# Altium PCB 平衡车.PcbDoc
Units mil, origin at the board's own origin, x right, y up, seen from the top; angles counter-clockwise.
Board outline 3897.64 x 2378 mil, 2 copper layers (Top Layer, Bottom Layer); 45 components, 41 nets, 190 pads, 46 vias.
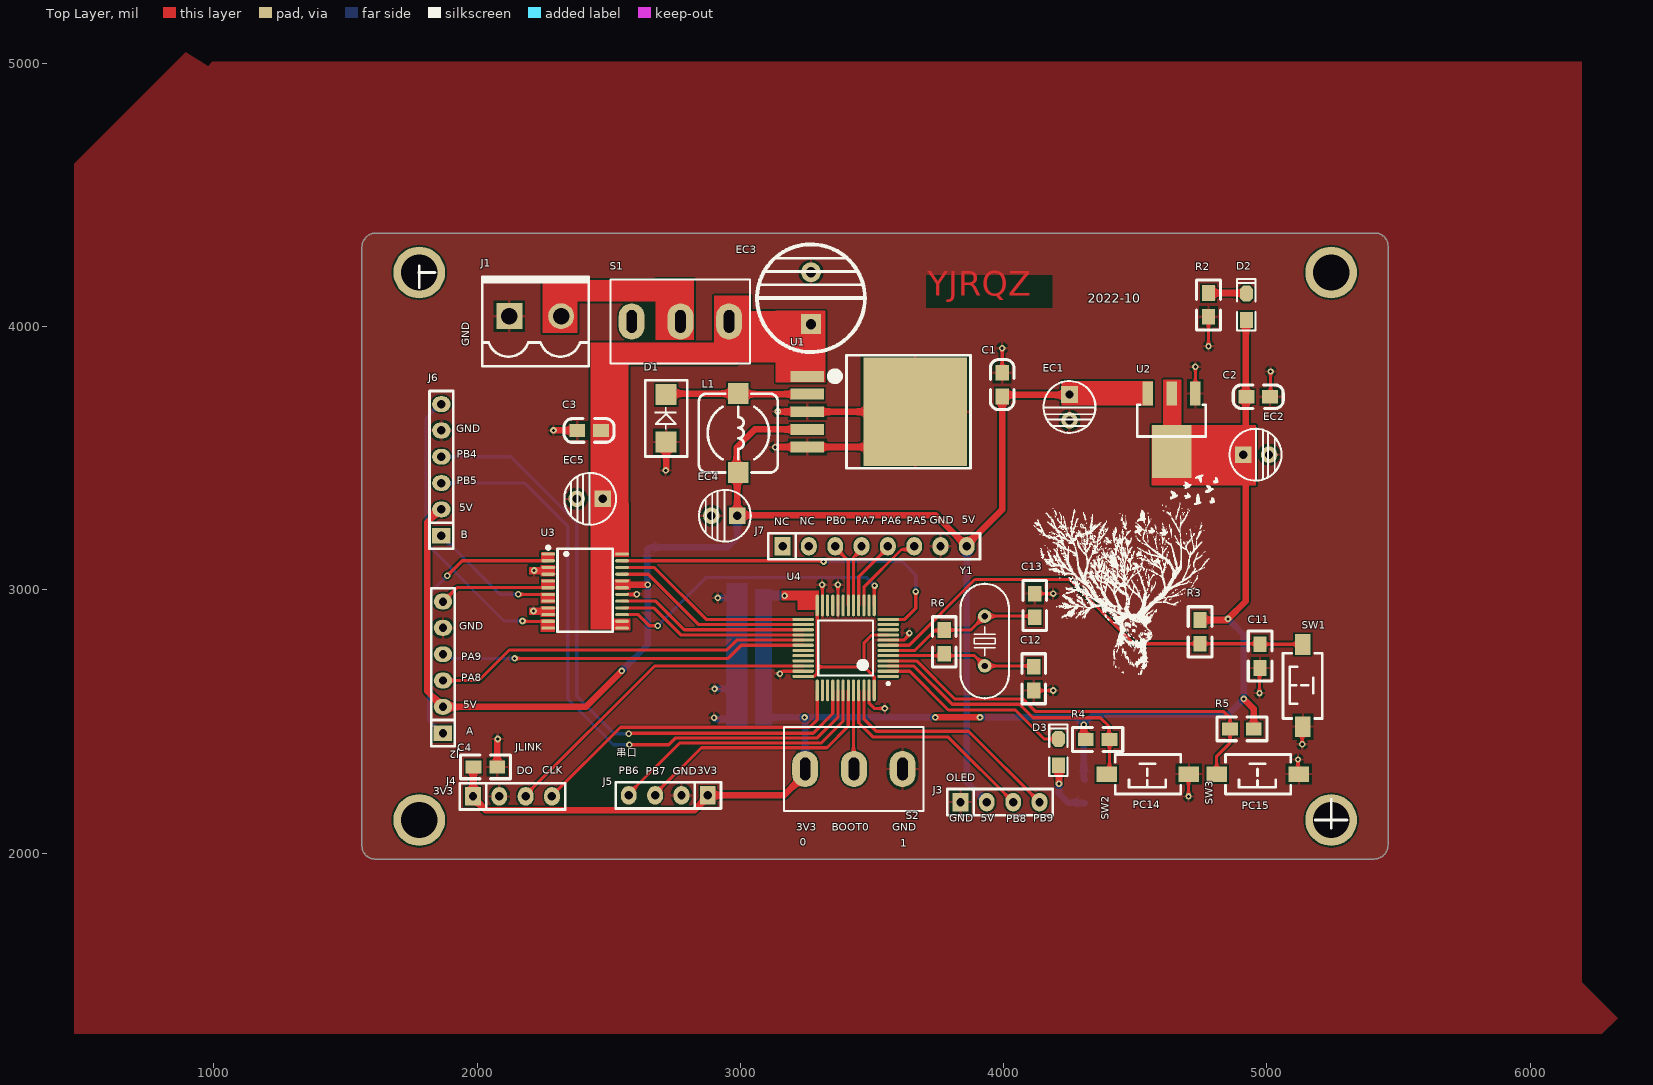
[diagram p0: Top Layer view]
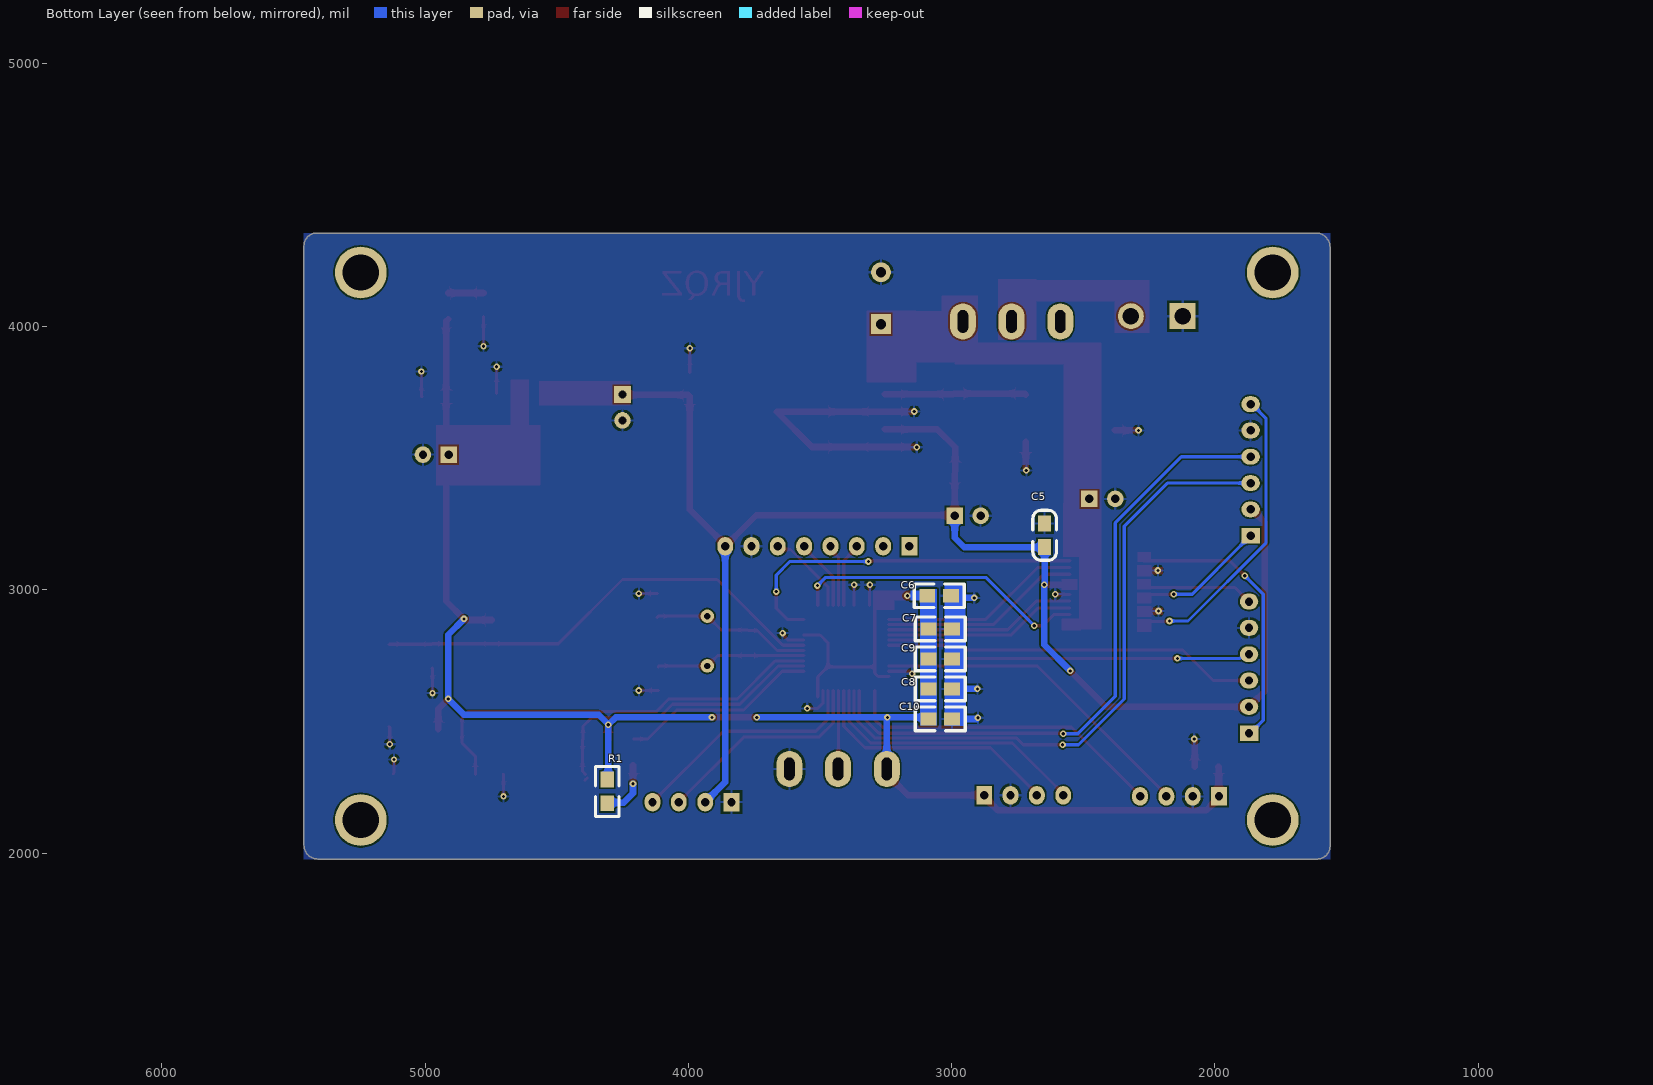
[diagram p1: Bottom Layer view, seen from below]

## Layer stack, top to bottom
Top Solder: solder mask 0.4, Solder Resist, Dk 3.5
Top Layer: signal copper 1.4
Dielectric 1: dielectric 12.6, FR-4, Dk 4.8
Bottom Layer: signal copper 1.4
Bottom Solder: solder mask 0.4, Solder Resist, Dk 3.5

## Board outline
1610,1978 cw(c1610,2025.64) 1562.36,2025.64 1562.36,4302.36 cw(c1616,4302.36) 1616,4356 5412,4356 cw(c5412,4308) 5460,4308 5460,2030 cw(c5408,2030) 5408,1978

## Design rules (kind name [scope] priority, off if disabled: settings)
Clearance [All] p1: gap=6 ignorepadtopadclearanceinfootprint=FALSE
Height Height_1 [All] p1: minheight=0 maxheight=2000 prefheight=500
HoleSize [All] p1: absolutevalues=TRUE maxlimit=200 minlimit=1 maxpercent=80.000 minpercent=20.000
HoleToHoleClearance [All] p1: gap=5 allowstackedmicrovias=TRUE
MinimumSolderMaskSliver [All] p1: minsoldermaskwidth=2
PlaneClearance [All] p1: clearance=1
PolygonConnect [All] p1: connectstyle=Relief reliefconductorwidth=10 reliefentries=4 polygonreliefangle="90 Angle" airgapwidth=10
RoutingVias [All] p1: holewidth=12 width=24 viastyle="Through Hole" minholewidth=1 minwidth=12 maxholewidth=13 maxwidth=27
SilkToSilkClearance [All] p1: silktosilkclearance=0
SilkToSolderMaskClearance [IsPad] p1: minsilkscreentomaskgap=0 clearancetoexposedcopper=TRUE
SolderMaskExpansion [All] p1: expansion=4 istentingtop=FALSE
Width [All] p1: maxlimit=50 minlimit=6 preferedwidth=12 minimp=50.000000 maximp=50.000000 favimp=50.000000
23 further rules are at their usual default settings.

## Components (designator, comment, footprint, x,y, rotation, side; value= is the part's Value field where it differs from the comment)
C1 "104" 0805C 3994,3736 r90 top
C2 "104" 0805C 4922.71,3734.4 r0 top
C3 "100nF" 0805C 2469.29,3605.6 r180 top
C4 "1uf" 0805R 2076,2328 r180 top value=104
C5 "100nF" 0805C 2646,3252 r270 bottom
C6 "104" 0805R 3002,2978 r0 bottom
C7 "104" 0805R 2998,2852 r0 bottom
C8 "104" 0805R 2998,2624 r0 bottom
C9 "104" 0805R 2998,2738 r0 bottom
C10 "104" 0805R 2998,2510 r0 bottom
C11 "1uf" 0805R 4974,2704 r90 top value=104
C12 "22P" 0805R 4114,2708 r270 top value=104
C13 "22P" 0805R 4118,2896 r90 top value=104
D1 "DIODE SCHOTTKY" SMB/DO-214AA 2718,3562 r90 top
D2 "LED" "LED 0805G" 4922,4076 r90 top
D3 "LED" "LED 0805G" 4208,2384 r90 top
EC1 "106" DIP-EC2.5X5X11 4250,3742.43 r270 top
EC2 "106" DIP-EC2.5X5X11 4909.57,3514 r0 top
EC3 "680uF" DIP-EC5.0X10X12.5 3268,4010 r90 top
EC4 "220uF" DIP-EC2.5X5X11 2988,3282 r180 top
EC5 "22uF" DIP-EC2.5X5X11 2476.43,3346 r180 top
J1 "KF2EDGK-2P" KF2EDGK5.0-2P 2122,4040 r0 top
J2 "A_M" Fe-HDR1X6/2.54-S 1870,2456 r90 top
J3 "oled" Fe-HDR1X4/2.54-S 3836,2194 r90 top
J4 "jilnk" Fe-HDR1X4/2.54-S 1984,2216 r90 top
J5 "串口" Fe-HDR1X4/2.54-S 2876,2220 r270 top
J6 "B_M" Fe-HDR1X6/2.54-S 1864,3206 r90 top
J7 "陀螺仪" Fe-HDR1X8/2.54-S 3160,3166 r90 top
L1 "33uH" CDRH74 2992,3596 r270 top
R1 "10K" 0805R 4308,2280 r270 bottom
R2 "10k" 0805R 4778,4128 r270 top
R3 "10K" 0805R 4746,2796 r90 top
R4 "1K" 0805R 4402,2432 r180 top
R5 "1K" 0805R 4860,2472 r0 top
R6 "1M" 0805R 3774,2848 r270 top
S1 "MTS-10x" MTS-10x 2772,4020 r180 top
S2 "MTS-10x" MTS-10x 3431.04,2320 r0 top
SW1 "3x6x5" "TSW SMD-3*6*2.5" 5136,2638 r90 top
SW2 "3x6x5" "TSW SMD-3*6*2.5" 4546,2300 r180 top
SW3 "3x6x5" "TSW SMD-3*6*2.5" 4964,2300 r180 top
U1 "LM2596-5.0" TO263-5A 3254,3676.93 r270 top
U2 "AMS1117" SOT223 4638,3746 r180 top
U3 "TB6612FNG" SSOP-24_L8.3-W5.6-P0.65-LS7.6-BL 2410,2996 r270 top
U4 "stm32f103c8t6_48pin" LQFP-48_M 3400,2780 r180 top
Y1 "8M" "OSC HC-49U" 3928,2806 r270 top

## Footprints (in the part's own frame and the unit in brackets; to place one, negate y for a bottom-side part, rotate by r counter-clockwise, add the part's x,y. Pads: shape width x height; smd on the part's side, far side on the other; paste and mask are expansions set on the pad)
0805C [mil]
  rect 60x50 smd: 1(-0.71,-0.4) 2(89.29,-0.4)
  silkscreen extent -51,-45 139,45, body extent 6,-25 84,25, height 31
0805R [mil]
  rect 60x50 smd: 1(0,0) 2(90,0)
  silkscreen extent -50,-45 140,45, body extent 1,-25 80,25, height 15
CDRH74 [mm] "7.3*7.3*4.5mm（长宽高）"
  rect 2x2 smd: 1(-3.81,0) 2(3.81,0)
  silkscreen extent -3.81,-3.81 3.81,3.81, body extent -3.65,-3.65 3.65,3.65, height 4.5
DIP-EC2.5X5X11 [mm]
  rect 1.6x1.6 hole 0.8: 1(0,0)
  round 1.6 hole 0.8: 2(2.5,0)
  silkscreen extent -1.3,-2.5 3.7,2.5, body extent -1.25,-2.59 3.75,2.41, height 11.03
DIP-EC5.0X10X12.5 [mm]
  rect 1.9x1.9 hole 1: 1(0,0)
  round 1.9 hole 1: 2(5,0)
  silkscreen extent -2.7,-5.21 7.7,5.2, body extent -2.41,-5 7.6,5, height 12.55
Fe-HDR1X4/2.54-S [mil]
  rect 70x60 hole 32: 1(0,0)
  oval 70x60 hole 32: 2(0,-100) 3(0,-200) 4(0,-300)
  silkscreen extent -50,-350 50,50, body extent -44,-355 54,55, height 335
Fe-HDR1X6/2.54-S [mil]
  rect 60x70 hole 32: 1(0,0)
  oval 60x70 hole 32: 2(100,0) 3(200,0) 4(300,0) 5(400,0) 6(500,0)
  silkscreen extent -50,-45 550,45, body extent -55,-49 555,49, height 109
Fe-HDR1X8/2.54-S [mil]
  rect 70x60 hole 32: 1(0,0)
  oval 70x60 hole 32: 2(0,-100) 3(0,-200) 4(0,-300) 5(0,-400) 6(0,-500) 7(0,-600) 8(0,-700)
  silkscreen extent -50,-750 50,55, body extent -49,-755 49,55, height 126
KF2EDGK5.0-2P [mm]
  rect 2.5x2.5 hole 1.6: 1(0,0)
  round 2.5 hole 1.6: 2(5,0)
  silkscreen extent -2.62,-4.83 7.67,3.81, body extent -2.54,-4.76 7.54,3.74, height 11.25
"LED 0805G" [mil] "绿色0805LED"
  rect 60x50 smd: 1(-50,0)
  oct 60x50 smd: 2(50,0)
  silkscreen extent -90,-35 105,35, body extent -39,-25 39,25, height 32
LQFP-48_M [mm] "Thin QFP, 48-Leads, Body 7x7mm, Pitch 0.5mm, IPC Low Density"
  oval 2.1x0.3 smd: 1(-4.1,2.75) 2(-4.1,2.25) 3(-4.1,1.75) 4(-4.1,1.25) 5(-4.1,0.75) 6(-4.1,0.25) 7(-4.1,-0.25) 8(-4.1,-0.75) 9(-4.1,-1.25) 10(-4.1,-1.75) 11(-4.1,-2.25) 12(-4.1,-2.75) 25(4.1,-2.75) 26(4.1,-2.25) 27(4.1,-1.75) 28(4.1,-1.25) 29(4.1,-0.75) 30(4.1,-0.25) 31(4.1,0.25) 32(4.1,0.75) 33(4.1,1.25) 34(4.1,1.75) 35(4.1,2.25) 36(4.1,2.75)
  oval 0.3x2.1 smd: 13(-2.75,-4.1) 14(-2.25,-4.1) 15(-1.75,-4.1) 16(-1.25,-4.1) 17(-0.75,-4.1) 18(-0.25,-4.1) 19(0.25,-4.1) 20(0.75,-4.1) 21(1.25,-4.1) 22(1.75,-4.1) 23(2.25,-4.1) 24(2.75,-4.1) 37(2.75,4.1) 38(2.25,4.1) 39(1.75,4.1) 40(1.25,4.1) 41(0.75,4.1) 42(0.25,4.1) 43(-0.25,4.1) 44(-0.75,4.1) 45(-1.25,4.1) 46(-1.75,4.1) 47(-2.25,4.1) 48(-2.75,4.1)
  silkscreen extent -4.23,-2.65 2.65,3.57, body extent -3.5,-3.5 3.5,3.5, height 1.6
MTS-10x [mm] "MTS10系列3脚扭子开关"
  oval 2.5x3.5 hole 1 slot 2.2 at 90 deg: 1(-4.7,0) 2(0,0) 3(4.7,0)
  silkscreen extent -6.73,-4.06 6.73,4.06, body extent -6.6,-3.95 6.6,3.95, height 30.47
"OSC HC-49U" [mm]
  round 1.3 hole 0.6: 1(-2.4,0) 2(2.4,0)
  silkscreen extent -5.52,-2.32 5.52,2.33, body extent -5.53,-2.29 5.53,2.36, height 13.95
SMB/DO-214AA [mil] "塑封二极管"
  rect 80x80 smd: A(0,0) K(180,0)
  silkscreen extent -55,-80 235,80, body extent -20,-79 200,75, height 98
SOT223 [mil]
  rect 40x90 smd: 1(-90,0) 2(0,0) 3(90,0)
  rect 150x200 smd: 2(0,220)
  silkscreen extent -130,43 130,163, body extent -130,-30 126,246, height 65
SSOP-24_L8.3-W5.6-P0.65-LS7.6-BL [mil]
  oval 12.13x52.13 smd mask+2: 1(-140.75,-140.24) 2(-115.16,-140.24) 3(-89.57,-140.24) 4(-63.98,-140.24) 5(-38.39,-140.24) 6(-12.79,-140.24) 7(12.8,-140.24) 8(38.39,-140.24) 9(63.98,-140.24) 10(89.57,-140.24) 11(115.16,-140.24) 12(140.75,-140.24) 13(140.75,140.24) 14(115.16,140.24) 15(89.57,140.24) 16(63.98,140.24) 17(38.39,140.24) 18(12.8,140.24) 19(-12.79,140.24) 20(-38.39,140.24) 21(-63.98,140.24) 22(-89.57,140.24) 23(-115.16,140.24) 24(-140.75,140.24)
  silkscreen extent -171,-146 155,105
TO263-5A [mm] "263，5脚晶体管"
  rect 1.05x3.2 smd: 1(-3.4,0) 2(-1.7,0) 3(0,0) 4(1.7,0) 5(3.4,0)
  rect 10.45x10 smd: 3(0,10.414)
  silkscreen extent -5.46,2.29 5.46,15.75, body extent -5.05,0.45 4.95,13.78, height 4.5
"TSW SMD-3*6*2.5" [mm] "3*6*2.5mm"
  rect 2x1.5 smd: 1(-3.996,-0.02) 2(3.937,0)
  silkscreen extent -3.21,-1.9 3.09,1.9, body extent -4,-1.88 4,1.62, height 2.59

## Part data
C1 C2 C3 C5: library part CAP, "无极性电容"
C4 C6 C7 C8 C9 C10 C11: library part Cap, LatestRevisionDate=17-Jul-2002, LatestRevisionNote="Re-released for DXP Platform.", Published=8-Jun-2000, Publisher="Altium Limited"
C12 C13: library part Cap, "Capacitor", LatestRevisionDate=17-Jul-2002, LatestRevisionNote="Re-released for DXP Platform.", Published=8-Jun-2000, Publisher="Altium Limited"
D1: "肖特基二极管"
EC1 EC2 EC3 EC4 EC5: library part DIP_ECAP, "直插电解电容"
J2 J6: library part "Female HDR1X6"
J3 J4 J5: library part "Female HDR1X4"
J7: library part "Female HDR1X8"
L1: library part INDUCTOR, "INDUCTOR"
R1 R2 R3 R4 R5: library part Res2, LatestRevisionDate=17-Jul-2002, LatestRevisionNote="Re-released for DXP Platform.", Published=8-Jun-2000, Publisher="Altium Limited"
R6: library part Res2, "Resistor", LatestRevisionDate=17-Jul-2002, LatestRevisionNote="Re-released for DXP Platform.", Published=8-Jun-2000, Publisher="Altium Limited"
S1 S2: "MTS10x系列3脚扭子开关", BOM名称=MTS10x系列3脚扭子开关, 学习资源=www.ooocke.com, 版权归属=源创客
SW1 SW2 SW3: library part "TSW 3x6", "3x6轻触开关", BOM名称=3x6轻触开关, 学习资源=www.ooocke.com, 版权归属=源创客
U1: "DC降压芯片"
U2: "三端稳压芯片"
Y1: library part XTAL, "Crystal Oscillator", LatestRevisionDate=17-Jul-2002, LatestRevisionNote="Re-released for DXP Platform.", Published=8-Jun-2000, Publisher="Altium Limited"
U3: BOM名称=TB6612FNG, 联系卖家，免费查找封装=唯一出售店铺网址https://shop463601444.taobao.com

## Free pads (board coordinates)
  round 196.85 hole 137.8 unplated: 2(1780,2126) 2(1780,4206) 2(5244,2126) 2(5244,4206)

## Via types
v1: diameter 25, hole 12, Top Layer to Bottom Layer, 38 vias
v2: diameter 24, hole 12, Top Layer to Bottom Layer, 8 vias

## Nets (pads, with @x,y where several pads share a name; then routed paths per layer and width w, separated by ;. In a path a pad name is that pad's centre, name@x,y a point inside that pad or via, vN(x,y) a via of type N, cw(c..) or ccw(c..) an arc to the next point about the centre after c; other vN are vias at no path point)
5V: C1.1 C5.2 EC1.1 EC4.1 J2.2 J3.2 J6.2 J7.8 L1.2 U1.4 U2.3 U3.19 U3.20 | length 6230.9
  Top Layer w12: L1.2@2988,3442 L1.2
  Top Layer w25: J6.2 1859,3306 1810.5,3257.5 1810.5,2615.5 J2.2 2412.49,2556 v1(2549.24,2692.76) ; 2552,3022 2554,3020 v1(2648,3020) ; L1.2@2986,3452 2986,3542 3054,3610 U1.4 ; L1.2@2988,3442 EC4.1 2990,3284 3742,3284 J7.8 ; J7.8@3860,3171 3994.4,3305.4 C1.1 3999.96,3740.85 4542.85,3740.85 U2.3
  Bottom Layer w25: v1@2549.87,2693.87 2648,2792 v1(2648,3020) ; v1@2646.4,3021.6 2646.4,3147.21 2646.4,3154.71 2651.61,3154.71 2658.9,3162 2952,3162 2988,3198 EC4.1 ; J7.8 3860,2270 J3.2
A_M1: J2.1 U3.1 U3.2 | length 1059.7
  Top Layer w12: v1(1886,3054) 1943.16,3111.16 U3.2
  Bottom Layer w12: J2.1 1865,2456 1841,2480 1816,2505 1816,2984 v1(1886,3054)
A_M2: J2.6 U3.5 U3.6 | length 432.9
  Top Layer w12: J2.6@1862.06,2948.06 1922.79,3008.79 U3.6
B_M1: J6.1 U3.7 U3.8 | length 501
  Top Layer w12: v1(2156,2984) 2156.8,2983.2 U3.7
  Bottom Layer w12: J6.1 1869,3206 1893,3182 1893,3177 2086,2984 v1(2156,2984)
B_M2: J6.6 U3.11 U3.12 | length 1141.8
  Top Layer w12: v1(2172,2882) 2173.14,2880.86 U3.11@2269.74,2880.86
  Bottom Layer w12: J6.6 1859,3706 1806,3653 1806,3178 2102,2882 v1(2172,2882)
GND: C1.2 C2.2 C3.2 C4.1 C5.1 C6.1 C7.1 C8.1 C9.1 C10.1 C11.1 C12.2 C13.2 D1.A EC1.2 EC2.2 EC3.2 EC4.2 EC5.2 J1.1 J2.5 J3.1 J4.2 J5.2 J6.5 J7.7 R2.2 S2.3 SW1.1 SW2.1 SW3.1 U1.3 U1.5 U2.1 U3.3 U3.4 U3.9 U3.10 U3.18 U4.8 U4.20 U4.23 U4.35 U4.47 | length 3090.4
  Top Layer w12: U3.18 v1@2605.2,2983.2 ; v1(2606,2984) v1@2607,2985 ; v1(3150,2682) 3159.42,2691.42 U4.35 ; v1(3310,3020) 3311.42,3018.58 U4.23 ; v1(3370,3020) 3370.47,3019.53 U4.20 ; U4.47 3488.68,2618.49 3488.68,2569.32 3508,2550 v1(3548,2550) ; U4.8 3620.76,2809.53 3639.51,2828.28 3639.51,2833.51 v1(3642,2836) ; v1(3994,3918) 3994.4,3917.6 C1.2@3994.4,3826 ; C12.2 v1(4188,2618) ; C13.2 v1(4188,2986) ; v2(4702,2216) 4702,2299.47 SW2.1 ; U2.1 v2(4728,3848) ; v2(4778,3926) R2.2 ; v2(4972,2608) 4972,2702 C11.1 ; C2.2 5014,3736 v2(5014,3830) ; v2(5118,2356) 5118,2304.1 SW3.1 ; v2(5134,2414) 5134,2477.9 SW1.1
  Top Layer w25: C4.1 2076,2432 v1(2078,2434) ; v1(2290,3606) C3.2 ; v1@2605.2,2983.2 v1(2606,2984) ; v1(2716,3454) 2718,3456 D1.A ; v1(3132,3542) 3133.07,3543.07 U1.5 3530.14,3543.07 3664,3676.93 3254,3676.93 3143.07,3676.93 v1(3142,3678)
  Bottom Layer w25: v1(2900,2514.5) 2904.5,2510 C10.1 ; v1(2902,2624) C8.1 ; v1(2914,2970) 2984.5,2970 2992,2977.5 2992,2988 C6.1
  other v1: 2214,2920 2216,3074
NetC11_2: C11.2 R3.1 SW1.2 U4.7 | length 1780.5
  Top Layer w12: U4.7 3561.51,2789.94 3640.59,2789.94 3890.65,3040 4250,3040 4494,2796 R3.1 4972,2796 C11.2 5135,2794 SW1.2
NetD1_K: D1.K L1.1 U1.2 | length 538.5
  Top Layer w25: D1.K 2722,3746 L1.1 2994.14,3743.86 U1.2
NetD2_2: D2.2 R2.1 | length 134
  Top Layer w25: R2.1 D2.2@4912,4128
NetD3_1: D3.1 R1.2 | length 219.7
  Top Layer w25: v1(4210,2264) D3.1@4210,2334
  Bottom Layer w25: v1(4210,2264) 4210,2228.1 4245.6,2192.5 4295.5,2192.5 4298,2190 R1.2
NetJ1_2: J1.2 S1.2
NetS2_2: S2.2 U4.44 | length 299.2
  Top Layer w12: U4.44 3429.62,2618.49 3429.62,2321.42 S2.2
OSCIN: C12.1 R6.2 U4.5 Y1.2 | length 570.2
  Top Layer w12: U4.5 3889.04,2750.47 Y1.2 4110.49,2711.51 C12.1
OSCOUT: C13.1 R6.1 U4.6 Y1.1 | length 612.4
  Top Layer w12: U4.6 3662.16,2770.16 3738.03,2846.03 3772.03,2846.03 R6.1 3875.51,2848 Y1.1 4113.51,2900.49 C13.1
PA0: U4.10
PA1: U4.11
PA2: U3.23 U4.12 | length 1386.8
  Top Layer w12: U3.23 3309.32,3111.16 3312.48,3108 v1(3316,3108) ; U4.12 3624.27,2888.27 3666,2930 v1(3666,2994)
  Bottom Layer w12: v1(3316,3108) 3614.48,3108 3666,3056.48 v1(3666,2994)
PA3: U3.15 U4.13 | length 1141.7
  Top Layer w12: U3.15 2611.57,2906.43 2654,2864 v1(2686,2864) ; U4.13 3508.36,2941.51 3508.36,3015.32 v1(3509.52,3016.48)
  Bottom Layer w12: v1(2686,2864) 2870,3048 3478,3048 v1(3509.52,3016.48)
PA5: J7.6 U4.15 | length 324.6
  Top Layer w12: U4.15 3468.9,3010.5 3612,3153.6 3647.6,3153.6 J7.6
PA6: J7.5 U4.16 | length 270.5
  Top Layer w12: U4.16 3449.21,3050.21 3560,3161 J7.5
PA7: J7.4 U4.17 | length 237.2
  Top Layer w12: U4.17 3429.53,3123.59 3460,3154.06 J7.4
PA8: J2.3 U4.29 | length 1432.2
  Top Layer w12: J2.3 2006,2656 2122,2772 2948.16,2772 2985.69,2809.53 U4.29
PA9: J2.4 U4.30 | length 1395.9
  Top Layer w12: v1(2142,2740) 2953.02,2740 3002.87,2789.84 U4.30
  Bottom Layer w12: J2.4 1887.99,2756 1903.99,2740 v1(2142,2740)
PB0: J7.3 U4.18 | length 245.2
  Top Layer w12: J7.3 3360,3161 3409.84,3111.16 U4.18
PB4: J6.4 U4.40 | length 2428.2
  Top Layer w12: v1(2576,2454) 2578,2456 3276,2456 3350.79,2530.79 U4.40
  Bottom Layer w12: J6.4 2126.97,3506 2245.08,3387.89 2378,3254.97 2378,2596 2520,2454 v1(2576,2454)
PB5: J6.3 U4.41 | length 2447.9
  Top Layer w12: v1(2578,2412) 2728,2412 2754,2438 3292,2438 3370.47,2516.47 U4.41
  Bottom Layer w12: J6.3 2180,3406 2344,3242 2344,2586 2518,2412 v1(2578,2412)
PB6: J5.4 U4.42 | length 1049.2
  Top Layer w12: J5.4@2573,2223 2768.9,2418.9 3306.9,2418.9 3390.06,2502.06 3390.06,2618.49 U4.42
PB7: J5.3 U4.43 | length 981.4
  Top Layer w12: J5.3@2675,2221 2675,2224 2851.9,2400.9 3328.9,2400.9 3409.84,2481.84 U4.43
PB8: J3.3 U4.45 | length 842.7
  Top Layer w12: U4.45 3449.21,2494.79 3502,2442 3788,2442 J3.3@4041.31,2188.69
PB9: J3.4 U4.46 | length 919.8
  Top Layer w12: U4.46 3468.99,2618.49 3468.99,2511.01 3516.5,2463.5 3866.5,2463.5 J3.4@4145.84,2184.16
PB12: U3.22 U4.25 | length 770.1
  Top Layer w12: U3.22 2672.43,3085.57 2869.73,2888.27 U4.25
PB13: U3.21 U4.26 | length 767.6
  Top Layer w12: U3.21 2650.02,3059.98 2841.42,2868.58 U4.26
PB14: U3.17 U4.27 | length 733.4
  Top Layer w12: U3.17 2678.39,2957.61 2787.1,2848.9 U4.27
PB15: U3.16 U4.28 | length 730.9
  Top Layer w12: U3.16@2550.26,2932 2670,2932 2772.79,2829.21 U4.28
PC13: D3.2 U4.2 | length 753.2
  Top Layer w12: U4.2 3642.58,2691.42 3790,2544 4044,2544 4154,2434 D3.2
PC14: R4.1 SW2.2 U4.3 | length 1132.8
  Top Layer w12: U4.3 3658.9,2711.1 3804,2566 4060,2566 4111.5,2514.5 4367.5,2514.5 4400,2482 R4.1@4400,2432 ; SW2.2@4383.94,2285.53 SW2.2@4393,2276.47 ; SW2.2 4402,2311 R4.1
PC15: R5.1 SW3.2 U4.4 | length 1623.5
  Top Layer w12: U4.4 3669.21,2730.79 3814,2586 4074.03,2586 4122.03,2538 4836,2538 4860,2514 R5.1 4860,2420 4809,2369 SW3.2
SWDCLK: J4.4 U4.37 | length 1244.3
  Top Layer w12: J4.4@2280,2214 2544.5,2478.5 3262.5,2478.5 3291.73,2507.73 U4.37
SWDIO: J4.3 U4.34 | length 1268.8
  Top Layer w12: J4.3@2181,2211 2181,2218 2674.1,2711.1 U4.34
VCC: C3.1 EC3.1 EC5.1 S1.1 U1.1 U3.13 U3.14 U3.24
VCC3V3: C2.1 C4.2 C6.2 C7.2 C8.2 C9.2 C10.2 D2.1 EC2.1 J4.1 J5.1 R1.1 R3.2 R4.2 R5.2 S2.1 U2.2 U4.9 U4.24 U4.36 U4.48 | length 6876.2
  Top Layer w12: v1(3168,2978) 3252,2978 ; U4.36 3238.68,2671.83 3279.75,2671.83 3291.92,2684 3291.92,2708 ; U4.24 3291.83,2941.32 3291.83,2895.78 3291.92,2895.68 3291.92,2708 ; U4.48@3508.27,2594 U4.48 3508.17,2618.68 3508.17,2669.83 3470,2708 ; U4.9 3561.32,2829.12 3499.12,2829.12 3470,2800 3470,2708 ; 3291.92,2708 3470,2708
  Top Layer w25: C4.2 1985,2327 1985,2217 J4.1 1984,2211 2032.5,2162.5 2823.5,2162.5 2876,2215 J5.1 3165.69,2220 3246,2300.31 S2.1 ; v1(3740,2516) v1(3910,2516) ; R4.2@4304,2432 v1(4304,2488) ; U2.2@4638,3526 U2.2@4638,3746 ; R3.2 4848,2886 v1(4852,2890) 4919.15,2957.15 EC2.1@4919.15,3504 ; v1(4912,2586) 4949.5,2548.5 R5.2@4949.5,2471.5 ; D2.1@4912,4028 4920,4020 4920,3734 EC2.1@4920,3504.85
  Bottom Layer w12: C10.2 C10.2@3091.97,2506.03 ; C8.2 C8.2@3092,2620 ; C10.2@3092,2514 C8.2@3092,2620 ; C6.2 v1(3168,2978) ; C8.2@3094,2618 C8.2@3092,2620
  Bottom Layer w25: C10.2 3092,2514 3094,2516 v2(3244,2516) ; S2.1 3246,2514 v2(3244,2516) ; v1(3740,2516) v2(3244,2516) ; v1(3910,2516) 4276,2516 v1(4304,2488) ; R1.1 4304,2284 v1(4304,2488) ; v1(4852,2890) 4912,2830 v1(4912,2586) 4852,2526 4340,2526 4304,2490 v1(4304,2488)
pads on no net: J7.1 J7.2 S1.3 U4.1 U4.14 U4.19 U4.21 U4.22 U4.31 U4.32 U4.33 U4.38 U4.39

## Polygon pours and split planes (outlines as drawn)
GND on Bottom Layer "GND_L02_P002" (solid, remove dead copper, pour order 2): 1562.36,4356 5460,4356 5460,1978 1562.36,1978
GND on Top Layer "GND_L01_P003" (solid, remove dead copper, pour order 3): 978,4990 994,5006 6196,5006 6196,1510 6332,1374 6272,1314 470,1314 470,4620 892,5042

## Other copper
Top Layer:
  rectangle net 5V: 4220,3700 4568,3794
  rectangle net VCC3V3: 4606,3598 4676,3800
  rectangle net VCC3V3: 4562,3396 4958,3626
  rectangle net NetJ1_2: 2248,4096 2816,4178
  rectangle net NetJ1_2: 2678,3950 2824,4182
  rectangle net NetJ1_2: 2248,3976 2382,4174
  rectangle net VCC: 2430,3298 2574,3940
  rectangle net VCC: 2430,3856 2988,3940
  rectangle net VCC: 2900,3984 3038,4118
  rectangle net VCC: 2900,3864 3324,4060
  rectangle net VCC3V3: 3156,2960 3218,2998
  rectangle net VCC3V3: 3216,2924 3298,2998
  rectangle net GND: 2240,3052 2296,3094
  rectangle net GND: 2196,3058 2248,3088
  rectangle net GND: 2196,2904 2248,2934
  rectangle net GND: 2240,2898 2296,2940
  rectangle net 5V: 2522,3000 2582,3042
  rectangle net VCC: 2430,2850 2516,3140
  rectangle net VCC: 2430,3126 2576,3330
  rectangle net A_M1: 2242,3106 2294,3144
  rectangle net A_M2: 2242,3002 2296,3042
  rectangle net B_M1: 2240,2948 2296,2990
  rectangle net B_M2: 2240,2840 2296,2890
  rectangle net VCC: 2508,2846 2582,2892
  rectangle net VCC: 3134,3788 3324,4060.79
  text "YJRQZ" at 3712.15,4086 h160
Bottom Layer:
  rectangle net VCC3V3: 3056,2486 3120,3004
  rectangle net VCC3V3: 3094,2960 3156,2998
  rectangle net GND: 2948,2860 3026,3026
  rectangle net GND: 2946,2484 3026,2900

## Silkscreen, mask and mechanical layers (free items; w line width, h text height)
Top Overlay:
  drawing of 11254 lines, arcs and shapes, not listed
  text "2022-10" at 4319.94,4078.67 h60
  text "GND" at 1981.45,3926 h50 r90
  text "GND" at 1920,3588.55 h50
  text "PB4" at 1922,3490 h50
  text "PB5" at 1922,3390.55 h50
  text "5V" at 1932,3288.55 h50
  text "5V" at 3840,3242.55 h50
  text "GND" at 3720,3240.55 h50
  text "PB0" at 3326,3238.55 h50
  text "PA6" at 3534,3238.55 h50
  text "PA5" at 3632,3238.55 h50
  text "PA7" at 3436,3238 h50
  text "NC" at 3226,3236.55 h50
  text "NC" at 3128,3234.55 h50
  text "B" at 1938,3186 h50
  text "GND" at 1932,2836.55 h50
  text "PA9" at 1940,2722.55 h50
  text "PA8" at 1940,2642.55 h50
  text "5V" at 1948,2538.55 h50
  text "A" at 1958,2438 h50
  text "JLINK" at 2143.91,2378.55 h50
  text "串口" at 2528.05,2356.34 h50
  text "CLK" at 2248,2290.55 h50
  text "DO" at 2150,2288.55 h50
  text "PB6" at 2538,2288.55 h50
  text "3V3" at 2836.02,2288.68 h50
  text "GND" at 2742,2286.55 h50
  text "PB7" at 2640,2286 h50
  text "OLED" at 3782,2262.55 h50
  text "3V3" at 1834,2210.55 h50
  text "PC14" at 4490,2158.55 h50
  text "PC15" at 4904,2156.55 h50
  text "GND" at 3794,2108.55 h50
  text "5V" at 3912,2108.55 h50
  text "PB9" at 4112,2108.55 h50
  text "PB8" at 4010,2106.55 h50
  text "3V3" at 3212.02,2074.55 h50
  text "BOOT0" at 3346,2074.55 h50
  text "GND" at 3576,2074.55 h50
  text "0" at 3226,2016.55 h50
  text "1" at 3608,2014 h50
Top Solder:
  text "YJRQZ" at 3712.15,4086 h160
Bottom Solder:
  text "YJRQZ" at 3712.15,4086 h160
Mechanical 1:
  the board outline again, w10